# Altium PCB SoDeRa-PCIe_1v0.PcbDoc (part 6 of 8) (continued)
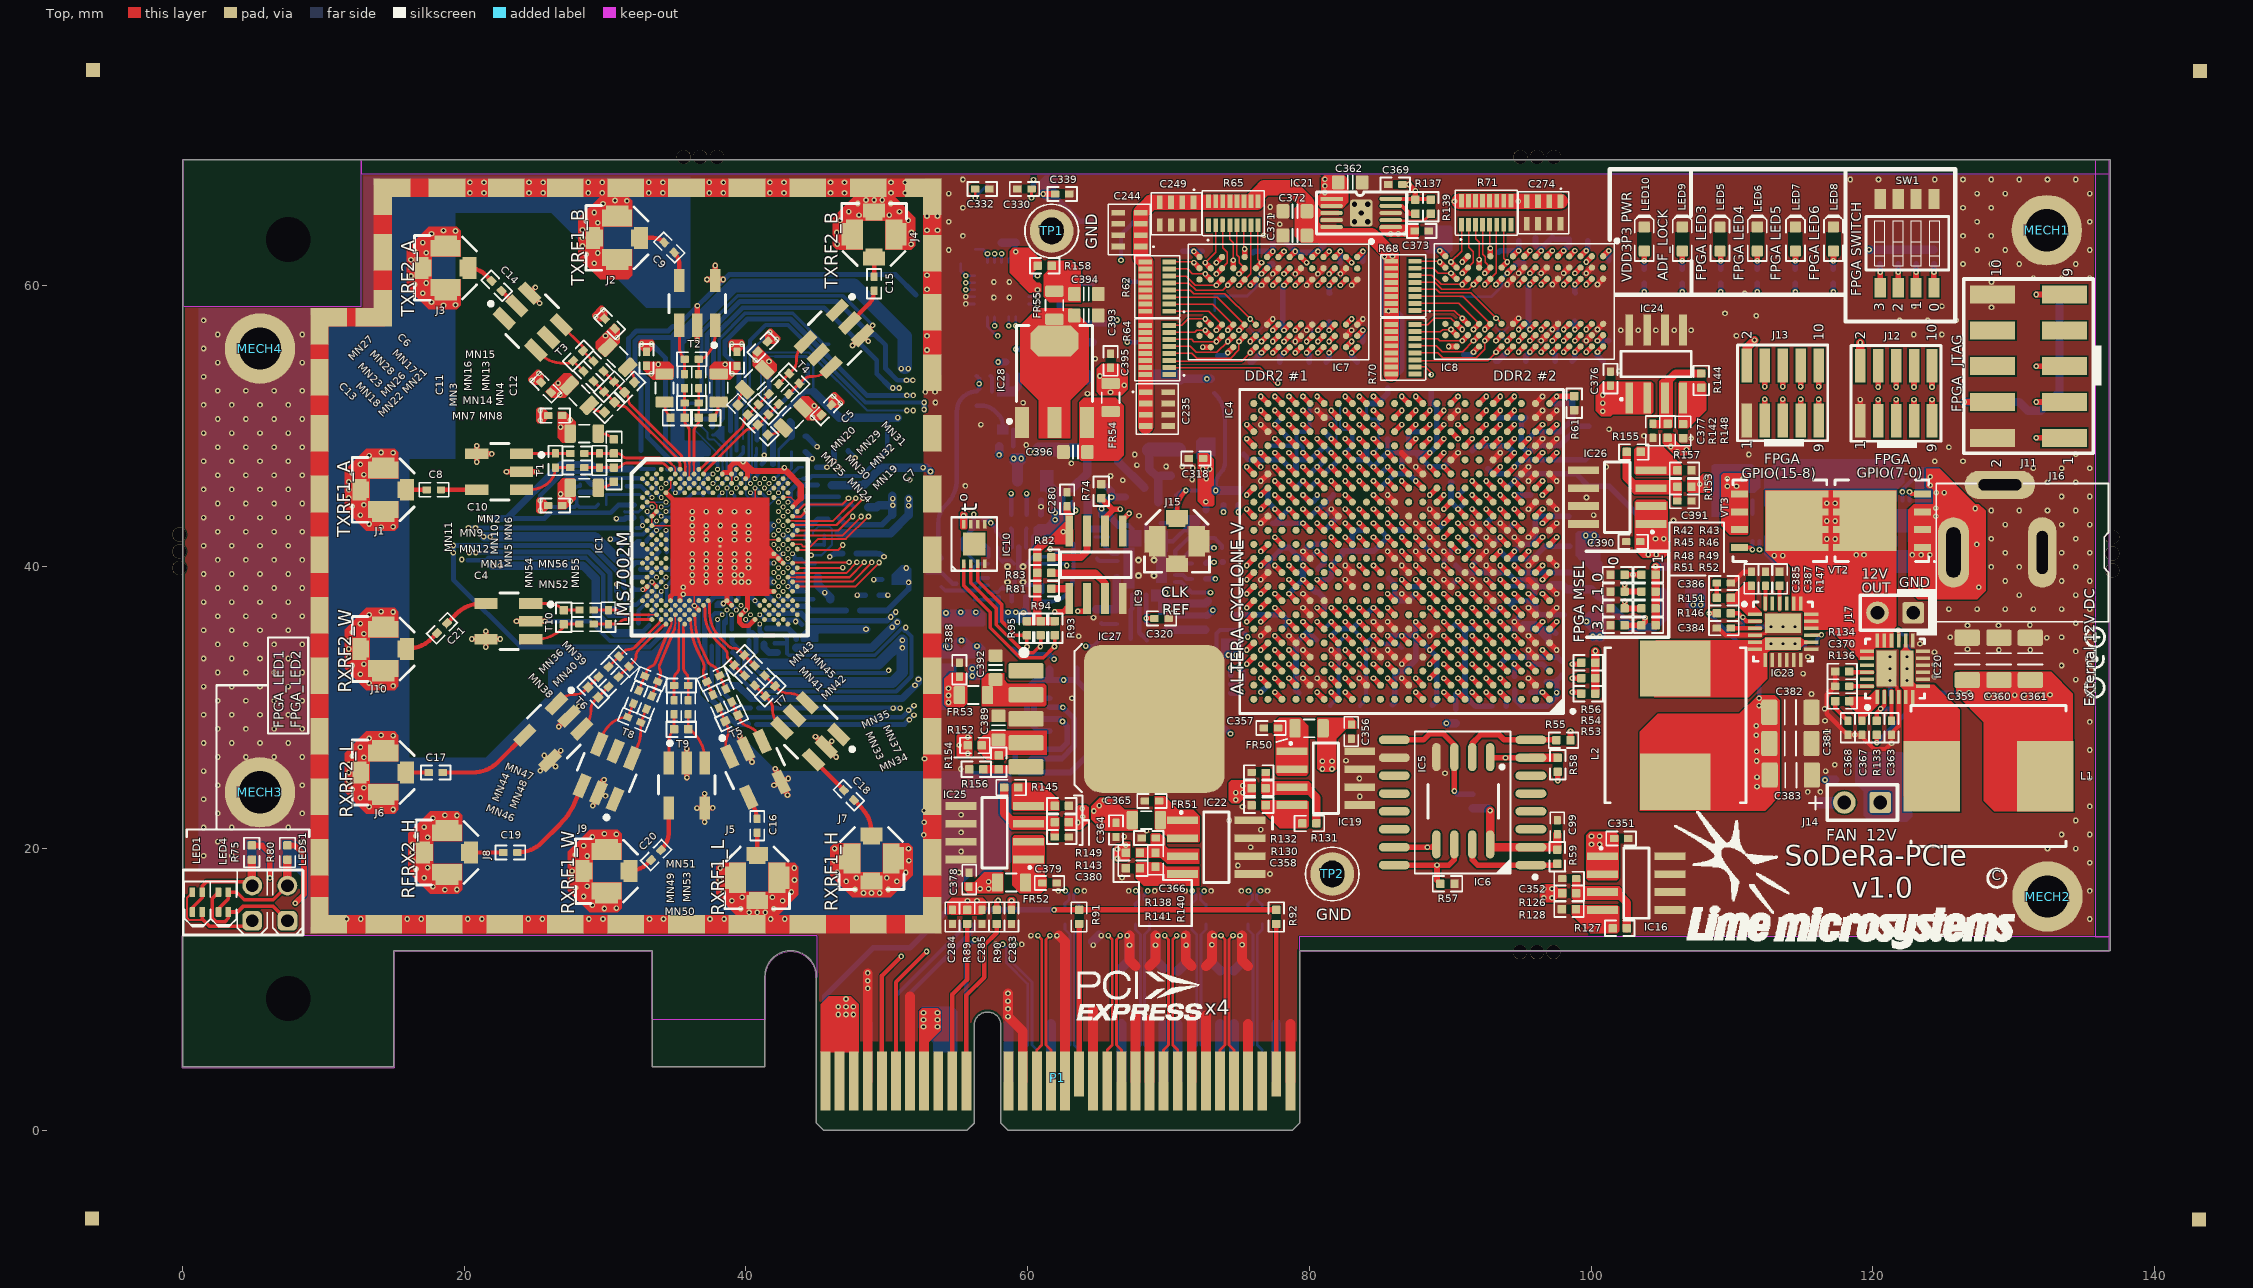
[diagram p0: Top view]
## Nets (pads, with @x,y where several pads share a name; then routed paths per layer and width w, separated by ;. In a path a pad name is that pad's centre, name@x,y a point inside that pad or via, vN(x,y) a via of type N, cw(c..) or ccw(c..) an arc to the next point about the centre after c; other vN are vias at no path point) (continued)
  Bottom w0.309: C323.1@70.55,45.1 cw(c71.335,44.315) 71.335,45.425 R107.2@71.825,45.425 R107.2@72,45.425
RXPLL_CLK: C295.2 R1.2 R101.1 | length 16.4
  L10 w0.1: v1(50.075,38) 54.648,38 ccw(c54.648,40.54) 56.444,38.744 59.181,41.481 ccw(c57.385,43.277) 59.925,43.277 v1(59.925,45.2)
  Bottom w0.309: R101.1@59.925,43.712 59.925,44.762 v1(59.925,45.2)
  Bottom w0.4: R1.2@49.475,38 v1(50.075,38)
RXRF1_HAB_N: IC1.AJ15 MN43.1 MN45.2 | length 6.1
  Top w0.2: IC1.AJ15@37.316,37.603 cw(c37.075,37.361) 37.416,37.361 37.416,36.87 37.416,36.786 ccw(c39.981,36.786) 38.167,34.973 38.767,34.373 ccw(c39.126,34.732) 39.126,34.224 39.172,34.224 cw(c39.172,33.716) 39.531,34.075 MN43.1@39.88,33.727 MN45.2@40.622,32.985
RXRF1_HAB_P: IC1.AK14 MN41.2 MN43.2 | length 6
  Top w0.2: IC1.AK14@36.983,37.27 cw(c36.742,37.028) 37.083,37.028 37.083,36.853 37.083,36.77 ccw(c39.964,36.77) 37.927,34.732 38.527,34.132 cw(c38.168,33.773) 38.676,33.773 38.676,33.727 ccw(c39.184,33.727) 38.824,33.368 MN43.2@39.172,33.02 MN41.2@39.915,32.278
RXRF1_HBB_N: MN42.1 MN45.1 T7.6 | length 3.7
  Top w0.2: MN45.1@41.329,32.278 MN42.1@42.072,31.535 42.097,31.51 42.319,31.288 ccw(c42.942,31.911) 42.942,31.03 43.035,31.03 cw(c43.035,29.506) 44.112,30.583 T7.6@44.32,30.376
RXRF1_HBB_P: MN41.1 MN42.2 T7.4 | length 3.7
  Top w0.2: MN41.1@40.622,31.571 40.905,31.288 MN42.2@41.364,30.828 41.612,30.581 ; 41.637,30.556 cw(c41.014,29.933) 41.895,29.933 41.895,29.84 ccw(c43.419,29.84) 42.341,28.762 T7.4@42.549,28.555
RXRF1_LAB_N: IC1.AM12 MN35.1 MN37.2 | length 5.8
  Top w0.2: IC1.AM12@36.29,36.548 cw(c36.048,36.306) 36.39,36.306 ccw(c41.393,36.327) 36.795,34.354 37.288,33.297 ; 37.301,33.269 ccw(c37.762,33.483) 37.588,33.006 37.631,32.99 cw(c37.457,32.513) 37.918,32.728 38.126,32.281 MN37.2@38.57,31.33
RXRF1_LAB_P: IC1.AN11 MN33.2 MN35.2 | length 5.7
  Top w0.2: IC1.AN11@35.984,36.271 cw(c35.743,36.029) 36.084,36.029 ccw(c41.085,36.184) 36.487,34.21 36.993,33.125 cw(c36.533,32.91) 37.01,32.736 36.995,32.693 ccw(c37.472,32.52) 37.012,32.305 37.22,31.859 MN33.2@37.663,30.907
RXRF1_LBB_N: MN34.1 MN37.1 T5.3 | length 3.7
  Top w0.2: MN37.1@38.992,30.423 MN34.1@39.436,29.472 39.584,29.155 ccw(c40.383,29.527) 40.081,28.699 ; 40.081,28.699 40.168,28.667 cw(c39.647,27.235) 41.028,27.879 T5.3@41.152,27.613
RXRF1_LBB_P: MN33.1 MN34.2 T5.1 | length 3.7
  Top w0.2: MN33.1@38.086,30.001 38.255,29.638 MN34.2@38.53,29.049 38.678,28.732 cw(c37.879,28.36) 38.707,28.058 38.632,27.851 ccw(c39.773,27.435) 38.672,26.922 T5.1@38.85,26.54
RXRF1_WAB_N: IC1.AP10 MN51.2 MN53.2 | length 5.5
  Top w0.16: 35.569,35.508 ccw(c35.501,35.508) 35.549,35.556 35.549,35.691 cw(c35.897,35.691) IC1.AP10@35.651,35.938
  Top w0.2: 35.569,35.508 35.569,32.826 ccw(c36.077,32.826) 35.718,32.466 35.75,32.434 cw(c35.391,32.075) 35.899,32.075 MN51.2@35.899,31.583 MN53.2@35.899,30.533
RXRF1_WAB_P: IC1.AN9 MN49.2 MN51.1 | length 5.9
  Top w0.14: 35.249,35.806 35.249,36.104 cw(c35.485,36.104) IC1.AN9@35.318,36.271
  Top w0.16: 35.229,35.504 cw(c35.297,35.504) 35.249,35.552 35.249,35.806
  Top w0.2: MN49.2@34.899,30.533 MN51.1@34.899,31.583 34.899,32.075 cw(c35.407,32.075) 35.048,32.434 35.08,32.466 ccw(c34.721,32.826) 35.229,32.826 35.229,35.504
RXRF1_WBB_N: MN50.1 MN53.1 T9.3 | length 3.9
  Top w0.2: MN53.1@35.899,29.533 MN50.1@35.899,28.483 cw(c35.899,28.199) 36.099,28.4 36.325,28.174 cw(c34.529,26.378) 37.069,26.378 T9.3@37.069,26.073
RXRF1_WBB_P: MN49.1 MN50.2 T9.1 | length 3.6
  Top w0.2: T9.1@34.529,26.073 34.529,27.589 cw(c35.792,27.589) MN50.2@34.899,28.483 MN49.1@34.899,29.533
RXRF2_HAB_N: IC1.AM8 MN47.1 MN48.2 | length 6.1
  Top w0.11: 34.985,36.008 IC1.AM8@34.985,36.604
  Top w0.15: 34.886,35.56 ccw(c33.926,36.008) 34.985,36.008
  Top w0.2: MN48.2@33.315,30.843 MN47.1@33.736,31.859 33.905,32.268 ccw(c33.436,32.462) 33.905,32.657 33.888,32.699 cw(c34.357,32.894) 33.888,33.088 ; 33.873,33.051 34.817,35.33 ; 34.81,35.326 34.904,35.529
RXRF2_HAB_P: IC1.AN7 MN44.2 MN47.2 | length 5.6
  Top w0.14: IC1.AN7@34.652,36.271 cw(c34.488,36.106) 34.72,36.106
  Top w0.15: 34.644,35.709 ccw(c33.908,36.052) 34.72,36.052 34.72,36.106
  Top w0.2: MN44.2@32.391,31.226 MN47.2@32.812,32.242 32.981,32.651 cw(c33.451,32.456) 33.256,32.926 33.299,32.943 ccw(c33.104,33.413) 33.574,33.218 34.506,35.469 ; 34.505,35.479 34.599,35.681
RXRF2_HBB_N: MN46.1 MN48.1 T8.6 | length 3.7
  Top w0.2: T8.6@31.787,26.526 ccw(c29.99,28.322) 32.53,28.322 MN46.1@32.53,28.949 MN48.1@32.932,29.919
RXRF2_HBB_P: MN44.1 MN46.2 T8.4 | length 4.5
  Top w0.2: T8.4@29.577,26.989 cw(c32.117,26.989) 30.321,28.786 30.345,28.809 cw(c31.607,27.547) MN46.2@31.607,29.332 31.855,29.932 MN44.1@32.008,30.302
RXRF2_LAB_N: IC1.AP6 MN39.1 MN40.2 | length 5.1
  Top w0.2: MN40.2@30.954,32.199 31.697,32.941 32.045,33.289 ccw(c31.685,33.648) 32.193,33.648 32.193,33.694 cw(c32.701,33.694) 32.342,34.053 34.126,35.838 ccw(c34.126,36.061) 34.284,35.903 IC1.AP6@34.319,35.938
RXRF2_LAB_P: IC1.AN5 MN36.2 MN39.2 | length 5.1
  Top w0.2: MN36.2@30.247,32.906 30.989,33.648 31.338,33.996 cw(c31.697,33.637) 31.697,34.145 31.743,34.145 ccw(c31.743,34.653) 32.102,34.294 33.886,36.078 cw(c34.11,36.078) 33.951,36.236 IC1.AN5@33.986,36.271
RXRF2_LBB_N: MN38.1 MN40.1 T6.3 | length 3.7
  Top w0.2: T6.3@28.345,28.5 28.553,28.708 ccw(c27.475,29.786) 28.999,29.786 28.999,29.878 cw(c29.88,29.878) 29.257,30.502 29.479,30.724 MN38.1@29.505,30.749 MN40.1@30.247,31.492
RXRF2_LBB_P: MN36.1 MN38.2 T6.1 | length 3.7
  Top w0.2: T6.1@26.549,30.297 26.757,30.504 cw(c27.834,29.427) 27.834,30.951 27.927,30.951 ccw(c27.927,31.832) 28.55,31.209 MN38.2@28.797,31.456 29.257,31.916 MN36.1@29.54,32.199
RXRF2_WAB_N: IC1.AM4 MN55.2 MN56.2 | length 4.6
  Top w0.11: 33.099,36.604 IC1.AM4@33.653,36.604
  Top w0.2: MN56.2@29.181,36.937 MN55.2@30.231,36.937 30.723,36.937 cw(c30.723,36.429) 31.082,36.788 31.115,36.756 ccw(c31.474,37.115) 31.474,36.607 32.948,36.607 32.952,36.604 33.099,36.604
RXRF2_WAB_P: IC1.AN3 MN52.2 MN55.1 | length 4.2
  Top w0.2: MN52.2@29.181,35.937 MN55.1@30.231,35.937 30.723,35.937 ccw(c30.723,36.445) 31.082,36.086 31.115,36.118 cw(c31.474,35.759) 31.474,36.267 32.952,36.267 32.956,36.271 IC1.AN3@33.32,36.271
RXRF2_WBB_N: MN54.1 MN56.1 T10.1 | length 3.5
  Top w0.2: T10.1@24.721,37.407 25.924,37.407 cw(c25.924,35.785) MN54.1@27.071,36.932 ; MN54.1@27.131,36.937 27.781,36.937 MN56.1@28.181,36.937
RXRF2_WBB_P: MN52.1 MN54.2 T10.3 | length 3.8
  Top w0.2: T10.3@24.721,34.867 25.14,34.867 ccw(c25.14,37.407) 26.936,35.611 26.939,35.614 ccw(c26.621,35.932) MN54.2@27.071,35.932 ; MN54.2@27.131,35.937 MN52.1@28.181,35.937
SI5351_XTAL_N: C332.2 IC15.2 XT4.3 | length 13.8
  Top w0.2: v1(56.275,66.2) C332.2@56.275,66.825
  L5 w0.1: v1(56.275,66.2) 57.7,66.2 58.175,65.725 58.175,63 58.509,62.666 58.55,62.625 58.55,61.825 59.134,61.241 59.134,58.791 58.8,58.458 58.8,57.275 v1(58.65,57.125)
  Bottom w0.2: v1(56.275,66.2) 56.275,66.25 XT4.3@57.15,67.125 ; v1(58.65,57.125) IC15.2@58.65,57.75
SI5351_XTAL_P: C330.2 IC15.1 XT4.1 | length 13.8
  Top w0.2: v1(60.275,66.2) C330.2@60.275,66.825
  L5 w0.1: v1(59.15,57.125) 59,57.275 59,58.375 59.334,58.709 59.334,61.324 58.75,61.908 58.75,62.708 58.375,63.083 58.375,65.725 58.85,66.2 v1(60.275,66.2)
  Bottom w0.2: v1(59.15,57.125) IC15.1@59.15,57.75 ; XT4.1@59.35,65.425 59.5,65.425 v1(60.275,66.2)
SI_CLK0: IC4.M7 IC15.13 | length 53.1
  Top w0.4: v1(90.55,42.1) IC4.M7@91.05,41.6
  L10 w0.1: v1(58.15,62.225) cw(c57.546,62.225) 57.973,61.798 56.894,60.719 ccw(c58.69,58.923) 56.15,58.923 56.15,58.079 cw(c55.296,58.079) 55.9,57.475 ccw(c56.383,56.992) 55.7,56.992 55.7,49.19 ccw(c58.24,49.19) 58.24,46.65 61.048,46.65 cw(c61.048,44.11) 62.844,45.906 65.306,43.444 ccw(c67.102,45.24) 67.102,42.7 89.125,42.7 cw(c89.125,40.708) 90.533,42.117 v1(90.55,42.1)
  Bottom w0.2: IC15.13@58.15,61.6 v1(58.15,62.225)
SI_CLK1: IC4.N7 IC15.12 | length 55.4
  Top w0.4: v1(90.55,43.1) IC4.N7@91.05,42.6
  L10 w0.1: v1(57.65,62.225) cw(c58.3,62.225) 58.3,62.875 58.9,62.875 cw(c58.9,62.075) 59.7,62.075 59.7,61.752 cw(c57.16,61.752) 58.956,59.956 56.644,57.644 ccw(c58.44,55.848) 55.9,55.848 55.9,49.515 ccw(c58.44,49.515) 58.44,46.975 61.098,46.975 cw(c61.098,44.435) 62.894,46.231 63.081,46.044 ccw(c64.877,47.84) 64.877,45.3 65.975,45.3 cw(c65.975,42.825) 67.725,44.575 68.15,44.15 ccw(c69.659,45.659) 69.659,43.525 89.524,43.525 cw(c89.524,42.074) v1(90.55,43.1)
  Bottom w0.2: IC15.12@57.65,61.6 v1(57.65,62.225)
SI_CLK2: IC4.N8 IC15.9 | length 49.9
  Top w0.4: v1(89.55,42.1) IC4.N8@90.05,42.6
  L10 w0.1: v1@55.6,60.17 cw(c55.6,59.82) 55.95,59.82 55.95,58.492 cw(c54.761,58.492) 55.743,57.822 55.708,57.787 ccw(c56.33,57.165) 55.588,57.637 ccw(c56.33,57.165) 55.45,57.165 55.45,48.94 ccw(c57.99,48.94) 57.99,46.4 60.923,46.4 cw(c60.923,43.86) 62.719,45.656 65.131,43.244 ccw(c66.927,45.04) 66.927,42.5 88.584,42.5 cw(c88.584,41.134) v1(89.55,42.1)
  Bottom w0.2: v1(55.6,60.175) IC15.9@56.225,60.175
SI_CLK3: IC4.J10 IC15.8 | length 48.7
  Top w0.4: v1(87.55,39.1) IC4.J10@88.05,38.6
  L10 w0.1: v1(55.6,59.675) ccw(c55.6,59.434) 55.429,59.604 55.35,59.525 ccw(c55.652,59.223) 55.225,59.223 55.225,48.665 ccw(c57.765,48.665) 57.765,46.125 60.773,46.125 cw(c60.773,43.585) 62.569,45.381 64.906,43.044 ccw(c66.702,44.84) 66.702,42.3 75.405,42.3 cw(c75.405,41.105) 76.25,41.95 ccw(c77.035,42.735) 77.035,41.625 83.478,41.625 cw(c83.478,39.085) 85.274,40.881 86.705,39.45 ; 86.706,39.449 ccw(c87.55,40.295) v1(87.55,39.1)
  Bottom w0.2: v1(55.6,59.675) IC15.8@56.225,59.675
SI_CLK4: IC15.19 R108.2 | length 33
  L10 w0.1: v1(60.7,59.175) cw(c60.7,58.725) 61.15,58.725 61.15,58.638 cw(c60.878,58.638) 61.07,58.445 56.844,54.219 ccw(c58.64,52.423) 56.1,52.423 56.1,49.755 ccw(c58.58,49.755) 58.58,47.275 61.348,47.275 cw(c61.348,44.735) 63.144,46.531 63.306,46.369 ccw(c65.102,48.165) 65.102,45.625 66.223,45.625 cw(c66.223,43.085) 68.019,44.881 68.256,44.644 ccw(c70.052,46.44) 70.052,43.9 v1(73.9,43.9)
  Bottom w0.2: IC15.19@60.075,59.175 v1(60.7,59.175)
  Bottom w0.4: v1(73.9,43.9) R108.2@73.9,44.425
SI_CLK6: IC4.L22 IC15.16 | length 46.8
  Top w0.4: v1(75.55,40.1) IC4.L22@76.05,40.6
  L10 w0.1: v1(60.7,60.675) ccw(c60.7,60.7) 60.725,60.7 60.725,61.275 ccw(c58.65,61.275) 58.65,63.35 57.565,63.35 ccw(c57.565,60.81) 55.025,60.81 55.025,48.29 ccw(c57.565,48.29) 57.565,45.75 59.823,45.75 cw(c59.823,43.21) 61.619,45.006 63.956,42.669 ccw(c65.752,44.465) 65.752,41.925 72.673,41.925 cw(c72.673,39.385) 74.469,41.181 v1(75.55,40.1)
  Bottom w0.2: IC15.16@60.075,60.675 v1(60.7,60.675)
TCXO_VC: R109.1 R114.2 XT1.1 XT2.1 XT3.1 | length 32.9
  L3 w0.3: v1(60.475,48.125) 64.925,43.675 65.382,43.675 68.375,40.682 68.375,38.964 72.314,35.025 v1(75.625,35.025)
  Bottom w0.3: R109.1@72.761,33.36 73.4,33.999 73.4,35.275 73.65,35.525 75.15,35.525 v1@75.625,35.05
  Bottom w0.6: R114.2@63.165,45.582 64.225,46.643 XT1.1@64.225,48.3
  Bottom w1: 60.8,48.325 XT2.1@62.125,48.325 62.15,48.3 XT1.1@64.225,48.3
TXPLL_CLK: C294.2 R4.2 R98.1 | length 14.9
  L10 w0.1: v1(49.8,40.725) 54.548,40.725 ccw(c54.548,43.265) 56.344,41.469 58.081,43.206 ccw(c56.285,45.002) 58.825,45.002 v1(58.825,45.2)
  Bottom w0.309: R98.1@58.825,43.712 v1(58.825,45.2)
  Bottom w0.4: R4.2@47.85,40.95 49.257,40.95 cw(c49.257,40.182) v1(49.8,40.725)
TXRF1_1AB_N: IC1.A7 MN5.1 MN10.1 MN12.1 | length 6.4
  Top w0.2: MN12.1@28.53,47.052 29.58,47.052 30.23,47.052 MN5.1@30.63,47.052 30.819,47.052 ccw(c30.819,47.56) 31.178,47.201 31.211,47.234 cw(c31.57,46.874) 31.57,47.382 33.899,47.382 cw(c33.899,46.781) 34.324,47.206 34.569,46.962 34.617,46.962 IC1.A7@34.652,46.927
TXRF1_1AB_P: IC1.B8 MN6.1 MN9.2 MN10.2 | length 7.2
  Top w0.11: 34.757,47.289 34.907,47.139 cw(c34.717,46.95) 34.985,46.95 IC1.B8@34.985,46.594
  Top w0.2: MN9.2@28.53,48.052 29.58,48.052 MN6.1@30.63,48.052 30.819,48.052 cw(c30.819,47.544) 31.178,47.904 31.211,47.871 ccw(c31.57,48.23) 31.57,47.722 33.899,47.722 cw(c33.899,46.781) 34.564,47.447 34.714,47.297
TXRF1_1BB_N: MN11.1 MN12.2 T1.3 | length 4.2
  Top w0.2: T1.3@24.212,45.482 24.669,45.482 ccw(c24.669,47.464) 26.07,46.063 ccw(c25.08,47.052) MN11.1@26.48,47.052 MN12.2@27.53,47.052
TXRF1_1BB_P: MN9.1 MN11.2 T1.1 | length 3.5
  Top w0.2: T1.1@24.07,48.022 cw(c24.142,47.95) 24.142,48.052 MN11.2@26.48,48.052 27.13,48.052 MN9.1@27.53,48.052
TXRF1_2AB_N: IC1.B10 MN21.1 MN26.2 MN28.2 | length 10.2
  Top w0.19: IC1.B10@35.651,46.594 ccw(c35.535,46.71) 35.699,46.71 35.699,47.094
  Top w0.2: MN28.2@29.891,53.887 MN26.2@30.633,53.145 31.093,52.685 31.375,52.402 31.51,52.268 cw(c31.15,51.909) 31.658,51.909 31.658,51.863 ccw(c32.166,51.863) 31.807,51.504 ; 31.853,51.458 35.333,47.978 cw(c34.449,47.094) 35.699,47.094 ; 31.92,51.391 32.355,50.957
TXRF1_2AB_P: IC1.A9 MN22.1 MN23.2 MN26.1 | length 8.9
  Top w0.2: MN23.2@29.183,53.18 MN26.1@29.926,52.438 30.386,51.978 30.668,51.695 30.802,51.561 ccw(c31.162,51.92) 31.162,51.412 31.207,51.412 cw(c31.207,50.904) 31.567,51.264 ; 31.612,51.218 35.098,47.732 cw(c34.568,47.202) 35.318,47.202 IC1.A9@35.318,46.927
TXRF1_2BB_N: MN27.1 MN28.1 T3.4 | length 3.5
  Top w0.2: T3.4@26.881,57.185 28.398,55.669 cw(c28.294,55.565) 28.441,55.565 MN27.1@28.441,55.337 MN28.1@29.183,54.594
TXRF1_2BB_P: MN23.1 MN27.2 T3.6 | length 4
  Top w0.2: T3.6@25.085,55.389 25.28,55.195 ccw(c27.076,56.991) 25.293,55.182 ccw(c27.076,56.991) 25.338,55.138 ccw(c27.076,56.991) 27.076,54.451 27.302,54.451 ccw(c27.302,55.062) MN27.2@27.734,54.63 MN23.1@28.476,53.887
TXRF2_1AB_N: IC1.C11 MN7.1 MN14.1 MN16.1 | length 6.5
  Top w0.11: IC1.C11@35.984,46.261 35.984,46.766
  Top w0.14: 35.975,47.516 35.984,47.506 35.984,46.766
  Top w0.2: MN16.1@35.645,52.691 MN14.1@35.645,51.641 35.645,50.991 MN7.1@35.644,50.591 35.644,50.402 ccw(c36.152,50.402) 35.793,50.042 35.826,50.01 cw(c35.467,49.651) 35.975,49.651 35.975,47.516
TXRF2_1AB_P: IC1.B12 MN8.1 MN13.2 MN14.2 | length 6.2
  Top w0.14: 36.315,47.516 36.305,47.506 36.305,46.623 ccw(c36.346,46.623) IC1.B12@36.317,46.594
  Top w0.2: 36.315,47.516 36.315,49.651 cw(c36.823,49.651) 36.463,50.01 36.496,50.042 ccw(c36.137,50.402) 36.645,50.402 MN8.1@36.644,50.591 MN14.2@36.644,51.641 MN13.2@36.645,52.691
TXRF2_1BB_N: MN15.1 MN16.2 T2.3 | length 3.6
  Top w0.2: T2.3@35.274,57.151 35.274,55.634 ccw(c36.538,55.634) MN15.1@35.645,54.741 MN16.2@35.645,53.691
TXRF2_1BB_P: MN13.1 MN15.2 T2.1 | length 4
  Top w0.2: MN13.1@36.645,53.691 36.645,54.091 MN15.2@36.644,54.741 ccw(c36.644,55.451) 37.147,54.949 ccw(c35.534,56.561) 37.814,56.561 T2.1@37.815,57.151
TXRF2_2AB_N: IC1.B14 MN24.1 MN30.2 MN32.2 | length 7.4
  Top w0.2: IC1.B14@36.983,46.594 37.018,46.628 ccw(c36.859,46.786) 37.083,46.786 39.401,49.104 39.948,49.652 cw(c40.308,49.293) 40.308,49.801 40.354,49.801 ccw(c40.354,50.309) 40.713,49.949 MN24.1@40.847,50.083 MN30.2@41.589,50.826 MN32.2@42.332,51.568
TXRF2_2AB_P: IC1.A13 MN25.1 MN29.2 MN30.1 | length 7.4
  Top w0.2: IC1.A13@36.65,46.927 36.685,46.961 cw(c36.843,46.803) 36.843,47.027 39.161,49.345 39.708,49.892 ccw(c39.349,50.251) 39.857,50.251 39.857,50.297 cw(c40.365,50.297) 40.006,50.656 MN25.1@40.14,50.791 40.423,51.073 MN30.1@40.882,51.533 MN29.2@41.625,52.275
TXRF2_2BB_N: MN31.1 MN32.1 T4.4 | length 3.7
  Top w0.2: MN32.1@43.039,52.275 43.322,52.558 MN31.1@43.781,53.018 44.029,53.265 cw(c44.652,52.642) 44.652,53.523 44.745,53.523 ccw(c44.745,55.047) 45.822,53.97 T4.4@46.03,54.178
TXRF2_2BB_P: MN29.1 MN31.2 T4.6 | length 3.7
  Top w0.2: MN29.1@42.332,52.983 MN31.2@43.074,53.725 43.322,53.973 ccw(c42.699,54.596) 43.58,54.595 43.58,54.688 cw(c45.104,54.688) 44.026,55.766 T4.6@44.234,55.974
VCC1P2: C100.2 C101.2 C102.2 C103.2 C104.2 C105.1 C106.1 C193.1 C194.1 C195.1 C196.1 C197.1 C198.1 C199.1 C200.1 C201.1 C202.1 C203.1 C204.1 C205.1 C206.1 C207.1 C215.1 C216.1 C217.1 C218.1 C219.1 C220.1 C221.1 C222.1 C223.1 C224.1 C225.1 C226.1 C227.1 C228.1 C229.1 C230.1 C381.2 C382.2 C383.2 FR36.1 FR37.1 IC4.F7 IC4.G9 IC4.G13 IC4.H6 IC4.J5 IC4.J7 IC4.J9 IC4.J11 IC4.J17 IC4.K6 IC4.K8 IC4.K16 IC4.L5 IC4.L7 IC4.L9 IC4.L11 IC4.L17 IC4.M6 IC4.M10 IC4.M12 IC4.N5 IC4.N9 IC4.N16 IC4.P6 IC4.P8 IC4.P12 IC4.P17 IC4.R7 IC4.T10 IC4.T12 IC4.U16 L2.2 R146.1 | length 98.3
  Top w0.309: v1(108.375,36.7) R146.1@108.925,36.7
  Top w0.4: v1(80.55,39.1) IC4.J17@81.05,38.6 ; v1(80.55,41.1) IC4.L17@81.05,40.6 ; v1(80.55,44.1) IC4.P17@81.05,43.6 ; v1(81.55,40.1) IC4.K16@82.05,39.6 ; v1(81.55,43.1) IC4.N16@82.05,42.6 ; v1(81.55,47.1) IC4.U16@82.05,46.6 ; v1(84.55,37.1) IC4.G13@85.05,36.6 ; v1(85.55,42.1) IC4.M12@86.05,41.6 ; v1(85.55,44.1) IC4.P12@86.05,43.6 ; v1(85.55,46.1) IC4.T12@86.05,45.6 ; v1(86.55,39.1) IC4.J11@87.05,38.6 ; v1(86.55,41.1) IC4.L11@87.05,40.6 ; v1(87.55,42.1) IC4.M10@88.05,41.6 ; v1(87.55,46.1) IC4.T10@88.05,45.6 ; v1(88.55,37.1) IC4.G9@89.05,36.6 ; v1(88.55,39.1) IC4.J9@89.05,38.6 ; v1(88.55,41.1) IC4.L9@89.05,40.6 ; v1(88.55,43.1) IC4.N9@89.05,42.6 ; v1(89.55,40.1) IC4.K8@90.05,39.6 ; v1(89.55,43.1) IC4.P8@90.05,43.6 ; v1(90.55,36.1) IC4.F7@91.05,35.6 ; v1(90.55,39.1) IC4.J7@91.05,38.6 ; v1(90.55,45.1) IC4.R7@91.05,44.6 ; IC4.L7@91.05,40.6 v1(91.55,41.1) ; v1(91.55,38.1) IC4.H6@92.05,37.6 ; v1(91.55,40.1) IC4.K6@92.05,39.6 ; v1(91.55,42.1) IC4.M6@92.05,41.6 ; v1(91.55,44.1) IC4.P6@92.05,43.6 ; v1(92.55,39.1) IC4.J5@93.05,38.6 ; v1(92.55,43.1) IC4.N5@93.05,42.6 ; IC4.L5@93.05,40.6 v1(93.55,41.1)
  L5 w0.4: v1(80.55,44.1) 81.05,44.6 81.05,46.6 v1(81.55,47.1)
  L5 w0.6: v1(80.55,44.1) v1(81.55,43.1) ; v1(85.55,44.1) 86.15,44.7 86.15,45.5 v1(85.55,46.1) ; v1(87.55,46.1) 87.55,44.1 v1(88.55,43.1) ; v1(90.55,45.1) v1(91.55,44.1)
  Bottom w0.3: v1(89.55,40.1) 89.55,40.425 90.05,40.925 C194.1@90.05,41.6
  Bottom w0.309: v1(108.375,36.7) 111.925,33.15 v1(111.925,30.15)
  Bottom w0.4: C221.1@77.025,39.6 77.05,39.625 77.05,40.307 78.118,41.375 78.55,41.375 79.325,40.6 80.042,40.6 80.067,40.625 80.075,40.625 v1(80.55,41.1) ; C207.1@80.05,43.55 80.55,44.05 v1(80.55,44.1) 80.7,44.1 C104.2@81.7,45.1 ; v1(80.55,39.1) 81.35,39.1 81.55,39.3 v1(81.55,40.1) 82.35,40.9 C102.2@82.35,41.1 82.375,41.125 84.575,41.125 v1(85.55,42.1) C223.1@85.075,42.575 ; C196.1@81.05,46.6 v1(81.55,47.1) ; C197.1@81.075,42.575 81.55,43.05 v1(81.55,43.1) 82.05,43.6 C230.1@82.1,43.6 ; C206.1@82.05,46.6 81.575,47.075 81.575,47.1 C106.1@82.075,47.6 ; C102.2@83.05,41.325 83.05,42.307 83.343,42.6 84.05,42.6 C204.1@84.05,42.55 ; C229.1@84.075,36.65 84.525,37.1 v1(84.55,37.1) 85.05,36.6 C220.1@85.075,36.6 ; C227.1@85.075,45.625 v1(85.55,46.1) 86.05,46.6 87.05,46.6 v1(87.55,46.1) ; v1(85.55,44.1) 86.025,43.625 C193.1@86.125,43.625 ; v1(86.55,39.1) 87.05,38.6 88.074,38.6 C202.1@88.074,38.625 ; v1(86.55,41.1) 87.05,40.6 C219.1@87.075,40.6 ; v1(87.55,42.1) v1(88.55,41.1) ; v1(88.55,37.1) 88.975,36.675 C226.1@88.975,36.625 ; v1(88.55,39.1) C203.1@89.025,38.625 ; v1(88.55,43.1) 89.05,42.6 v1(89.55,43.1) ; C225.1@90.05,35.575 90.05,35.6 v1(90.55,36.1) 90.55,35.882 91.05,35.382 ; C228.1@90.05,38.625 90.525,39.1 v1(90.55,39.1) ; v1(90.55,45.1) 91.025,45.575 C222.1@91.075,45.575 ; C200.1@91.05,41.625 91.05,41.6 v1(91.55,41.1) ; v1(91.55,40.1) C195.1@92.05,40.6 ; v1(91.55,42.1) 91.6,42.1 C218.1@92.075,42.575 ; v1(91.55,44.1) 92.025,43.625 C205.1@92.025,43.6 ; v1@91.575,38.1 C224.1@92.05,37.625 ; C201.1@92.025,35.625 92.025,35.6 91.268,35.6 91.05,35.382 ; v1(92.55,39.1) 92.6,39.1 C105.1@93.075,38.625 ; v1(92.55,43.1) C217.1@93.025,43.575 ; C198.1@92.925,30.1 91.8,30.1 91.05,30.85 91.05,35.382 ; v1(93.55,41.1) 94.05,40.6 95.875,40.6 96.75,41.475 C101.2@98.475,41.475
  other v1: 111.775,24.4 111.775,25.075 111.75,26.225 111.75,26.9 111.725,28.05 111.725,28.725 111.925,30.675 100.125,35.075 100.625,35.075 99.675,36.125 99.925,41.8 99.625,42.225 100.225,42.225
VCC1P2D_FPGA: C107.2 C108.2 C109.2 C110.2 C111.1 C112.1 C187.1 C188.1 C189.1 C190.1 C191.1 C192.1 FR36.2 IC4.E18 IC4.G3 IC4.M4 IC4.R4 IC4.U4 IC4.V18 | length 94.7
  Top w0.4: v1(79.55,35.1) IC4.E18@80.05,34.6 ; v1(79.55,48.1) IC4.V18@80.05,47.6 ; v1(93.55,42.1) IC4.M4@94.05,41.6 ; v1(93.55,45.1) IC4.R4@94.05,44.6 ; IC4.U4@94.05,46.6 v1(94.55,47.1) ; v1(94.55,37.1) IC4.G3@95.05,36.6
  L5 w0.4: v1(93.55,42.1) 93.05,42.6 93.05,44.6 v1(93.55,45.1) 94.05,45.6 94.05,46.6 v1(94.55,47.1)
  L10 w0.4: v1(79.55,35.1) 79.05,35.6 79.05,36.307 78.757,36.6 78.343,36.6 77.05,35.307 77.05,30.893 77.343,30.6 93.757,30.6 95.05,31.893 95.05,36.6 v1(94.55,37.1) 94.55,37.393 95.05,37.893 95.05,46.6 v1(94.55,47.1) 95.05,47.6 95.05,48.307 94.757,48.6 80.05,48.6 v1(79.55,48.1)
  Bottom w0.3: v1(79.55,48.1) 79.55,48.464 79.075,48.939 C192.1@79.075,49.6 79.686,49.6 80,49.914 80,51.5 C190.1@80.075,51.575
  Bottom w0.4: C107.2@79.225,31.05 79.05,31.225 79.05,34.6 v1(79.55,35.1) ; C189.1@80.075,35.625 v1(79.55,35.1) ; C110.2@80.475,34.825 80.2,35.1 v1(79.55,35.1) ; C109.2@92.675,46.975 93.05,46.6 94.05,46.6 v1(94.55,47.1) 95.05,47.6 99.575,47.6 C108.2@99.825,47.85 ; C111.1@93.1,41.65 v1(93.55,42.1) ; C112.1@94.075,37.625 C112.1@94.075,37.6 ; v1(94.55,37.1) 94.075,37.575 C112.1@94.075,37.6 ; FR36.2@98.1,36.6 96.343,36.6 96.05,36.893 96.05,37.307 95.757,37.6 95.725,37.6 C112.1@94.075,37.6
VCC1P2L_FPGA: C113.2 C114.2 C115.2 C116.2 C117.2 C118.1 C149.1 C150.1 C151.1 C152.1 C153.1 FR37.2 IC4.K3 IC4.L3 IC4.N3 IC4.T3 IC4.V3 | length 42.8
  Top w0.4: v1(94.55,40.1) IC4.K3@95.05,39.6 ; v1(94.55,43.1) IC4.N3@95.05,42.6 ; v1(94.55,46.1) IC4.T3@95.05,45.6 ; IC4.L3@95.05,40.6 v1(95.55,41.1) ; IC4.V3@95.05,47.6 v1(95.55,48.1)
  L7 w0.4: v1(94.55,40.1) v1(95.55,41.1) 95.55,41.393 95.05,41.893 95.05,42.6 v1(94.55,43.1) 94.55,43.393 95.05,43.893 95.05,45.6 ; v1(94.55,46.1) 95.05,45.6 ; v1(95.55,48.1) 96.05,47.6 96.05,45.893 95.757,45.6 95.05,45.6
  Bottom w0.4: C150.1@93.075,50.625 93.075,50.6 94.025,50.6 C115.2@95.35,50.6 95.05,50.3 95.05,48.6 v1(95.55,48.1) 96.05,48.6 97.757,48.6 99.132,49.975 C114.2@99.825,49.975 ; C118.1@94,45.6 94.05,45.6 v1(94.55,46.1) 95.05,46.6 98.95,46.6 99.825,45.725 C113.2@100.825,45.725 101.275,45.725 C116.2@103.1,43.9 103.798,43.203 C152.1@103.798,42.586 C153.1@103.798,41.439 ; C117.2@94.075,42.575 94.075,42.625 v1(94.55,43.1) ; v1(94.55,40.1) 95.05,39.6 98.525,39.6 FR37.2@98.55,39.625
VCC1P4_LMS: FR16.1 FR17.2 FR24.2 FR33.2 FR34.2 FR35.2 R138.1 | length 140
  L5 w0.7: 51.7,33.35 49.45,33.35 46.625,36.175 46.625,39.131 45.3,40.456 45.3,43.819 47.006,45.525 47.675,45.525 52.65,50.5 v1(52.65,51.175) v1@52.65,51.6
  L5 w1.4: v1@19.225,41.7 18.525,41 18.525,40.175 19.825,38.875 22.382,38.875 24.731,36.526 24.731,35.294 26.775,33.25 29.95,33.25 33.575,29.625 49.025,29.625
  Bottom w0.3: FR17.2@39.324,48.261 39.324,51.124 39.925,51.725 39.925,55.35 40.292,55.717 40.292,56.067 41.4,57.175 42.985,57.175 48.485,51.675 v1(52.65,51.675)
  Bottom w0.35: FR34.2@31.25,39.35 31.319,39.419 31.319,39.469 32.161,40.311 33.076,40.311 FR16.1@33.815,41.05 ; FR35.2@31.394,38.506 31.319,38.581 31.319,39.281 31.249,39.281 29.011,41.519 v1(19.231,41.519) 19.231,39.094 24,34.325 33.165,34.325 34.324,35.484 FR33.2@34.324,36.881
  Bottom w0.4: v1(52.65,51.175) v1(52.65,51.675)
  Bottom w0.5: FR24.2@38.667,31.593 39.405,31.593 40.348,30.65 51.1,30.65 52.253,31.803 v1(52.253,32.027)
  other v1: 66.375,19.3 66.375,19.95 66.975,20.25 52,31.6 19.231,41
VCC1P8: C119.2 C120.2 C121.2 C122.2 C123.2 C124.1 C175.1 C176.1 C177.1 C178.1 C179.1 C180.1 C181.1 C182.1 C183.1 C184.1 C185.1 C186.1 FR46.1 FR47.1 IC4.N18 IC4.P19 IC4.R18 IC4.U8 IC4.U9 IC4.U11 IC4.U13 IC4.V10 IC4.V12 IC4.V15 IC4.V16 IC4.V17 R36.2 R38.2 R153.1 | length 77.5
  Top w0.4: v1(78.55,44.1) IC4.P19@79.05,43.6 ; v1(79.55,43.1) IC4.N18@80.05,42.6 ; v1(79.55,45.1) IC4.R18@80.05,44.6 ; v1(80.55,48.1) IC4.V17@81.05,47.6 ; v1(81.55,48.1) IC4.V16@82.05,47.6 ; v1(82.55,48.1) IC4.V15@83.05,47.6 ; v1(84.55,47.1) IC4.U13@85.05,46.6 ; v1(85.55,48.1) IC4.V12@86.05,47.6 ; v1(86.55,47.1) IC4.U11@87.05,46.6 ; IC4.V10@88.05,47.6 v1(88.55,48.1) ; v1(88.55,47.1) IC4.U9@89.05,46.6 ; v1(89.55,47.1) IC4.U8@90.05,46.6
  L6 w1: v1(60.418,67.493) 61.807,67.493 64.6,64.7 64.6,59.525 66.35,57.775 68.2,57.775 70.65,55.325 70.65,54.125 73.525,51.25 75.675,51.25
  Bottom w0.14: C175.1@82.175,51.475 82.175,49.945 82.395,49.725 C124.1@82.925,49.725
  Bottom w0.15: C175.1@82.05,51.6 C175.1@82.175,51.475 ; C124.1@82.925,49.725 C124.1@83.05,49.6
  Bottom w0.3: C176.1@77,48.6 R38.2@78.05,48.6 ; R38.2@78.025,48.6 78.8,48.6 79.075,48.325 79.075,47.6 ; v1(82.55,48.1) 83.05,48.6 C124.1@83.05,49.6
  Bottom w0.4: FR47.1@60.418,66.899 v1(60.418,67.493) ; FR46.1@62.251,58.843 62.251,58.499 63.475,57.275 66.1,57.275 v1(66.35,57.525) ; C121.2@77.4,43.1 C121.2@77.55,43.1 ; v1@78.55,44.125 v1(78.55,44.1) C121.2@77.55,43.1 ; C186.1@79.05,46.6 79.05,47.575 79.075,47.6 C123.2@80.1,47.6 v1@80.6,48.1 ; v1(79.55,45.1) 80.025,44.625 R36.2@80.075,44.625 80.25,44.625 80.55,44.925 v1(80.55,45.1) ; C183.1@80.075,42.575 v1(79.55,43.1) C121.2@77.55,43.1 ; v1(80.55,48.1) v1@80.6,48.1 ; v1(81.55,48.1) 81.1,48.55 C180.1@81.05,48.55 v1@80.6,48.1 ; v1(82.55,48.1) 83.05,47.6 84.05,47.6 ; C182.1@84.075,48.6 84.05,48.575 84.05,47.6 ; C122.2@85.525,49.075 85.55,49.05 v1(85.55,48.1) ; v1(86.55,47.1) 86.55,47.6 C119.2@87.05,48.1 ; C119.2@87.05,48.15 C184.1@87.05,49.6 C185.1@88.05,49.6 ; C120.2@88.65,52.45 88.65,51.6 88.757,51.6 89.05,51.307 89.05,48.6 v1(88.55,48.1) C119.2@87.55,48.1 ; C179.1@90,47.6 90,47.55 v1(89.55,47.1) v1(88.55,47.1) C119.2@87.55,48.1 ; 84.05,47.6 v1(84.55,47.1) v1(85.55,48.1) ; v1(85.55,48.1) C119.2@87,48.1 C119.2@87.05,48.1 ; C119.2@87.05,48.1 C119.2@87.55,48.1
  other v1: 108.15,45.525 107.7,45.875 108.15,46.3